# Altium PCB ALCT_MEZ_SPARTAN6T.PcbDoc (part 1 of 12) (continued)
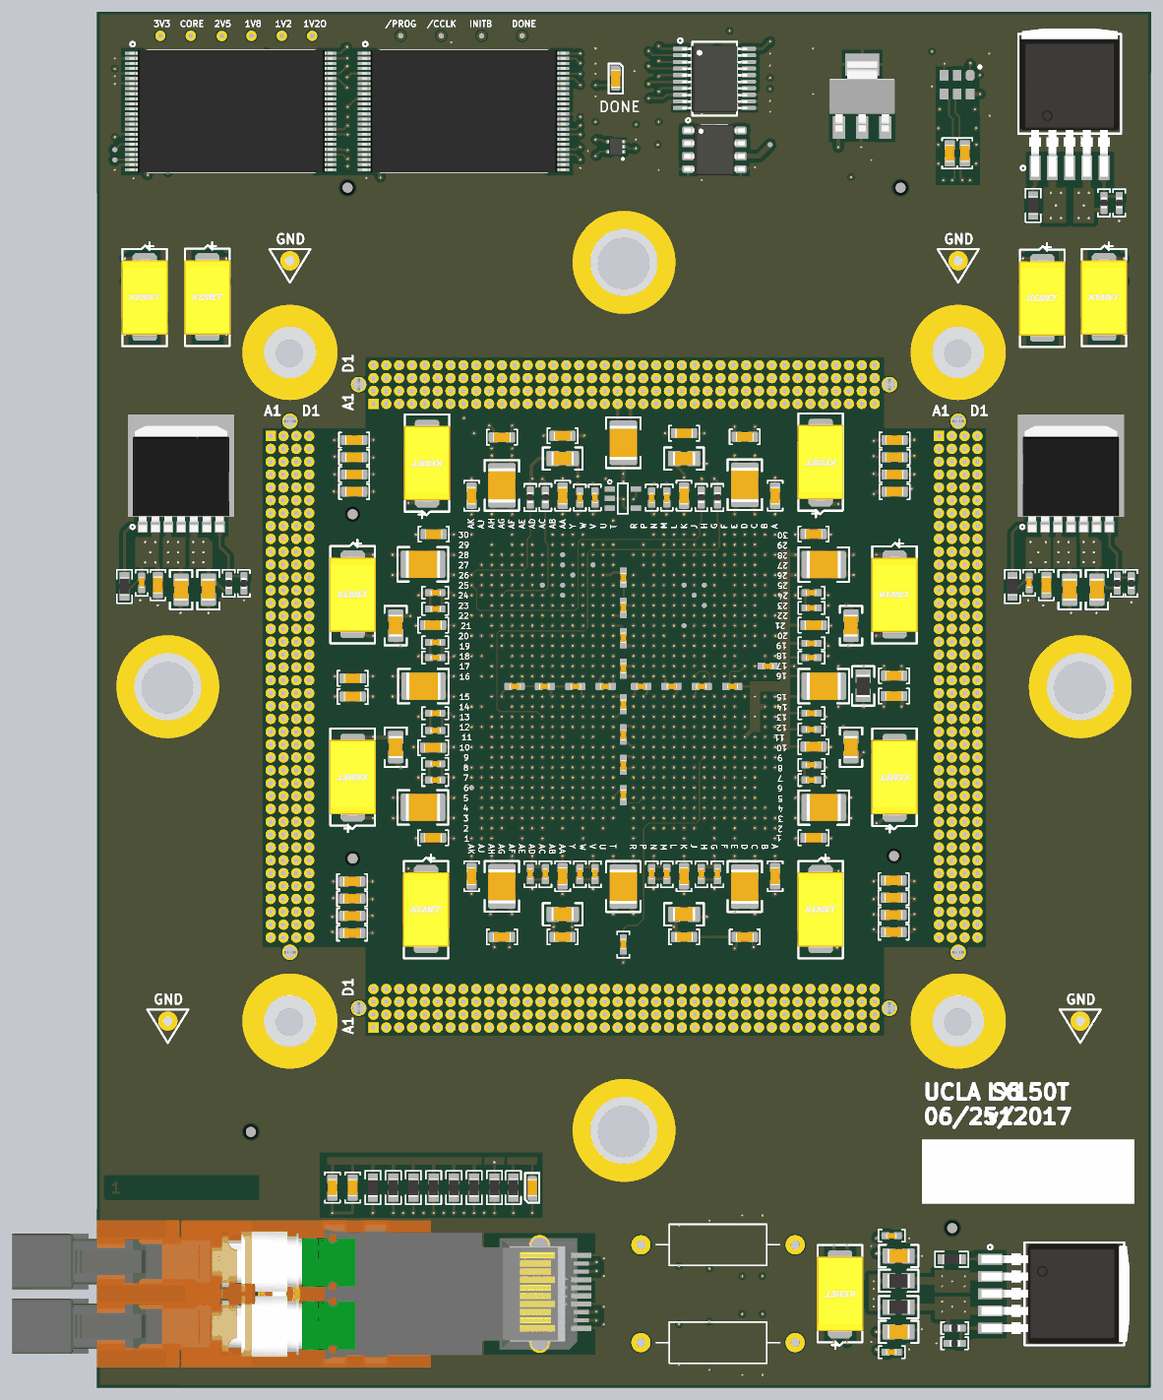
[diagram p23: 3D render of the assembled board from above, using the file's embedded part models]
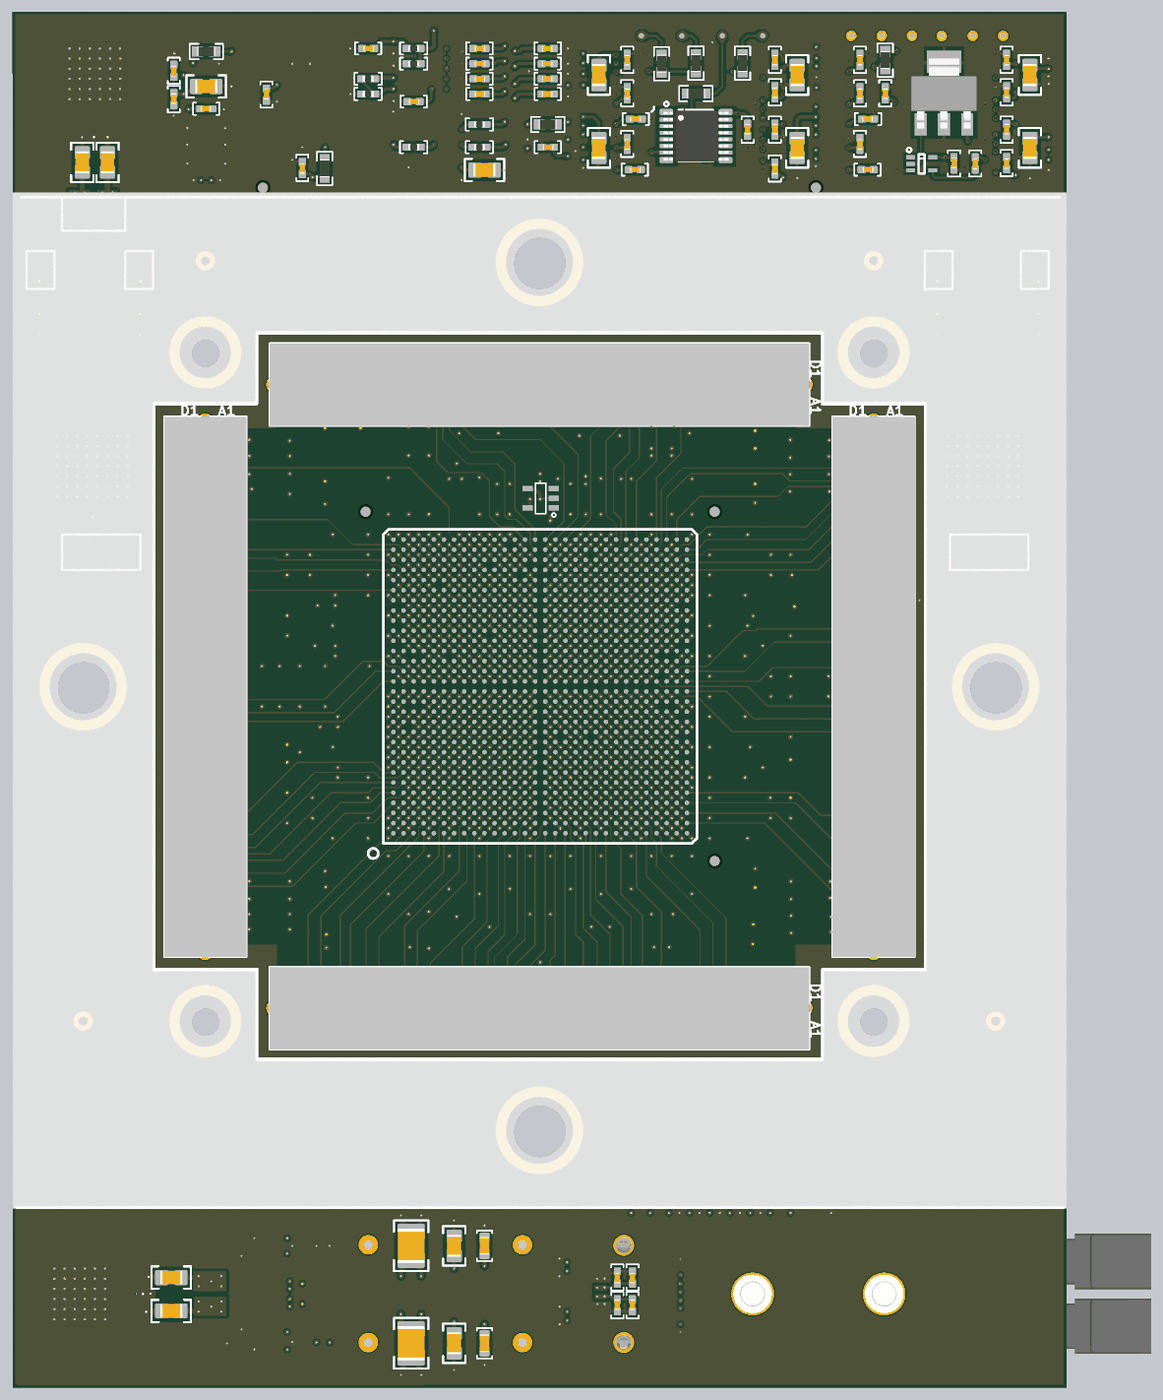
[diagram p24: 3D render of the assembled board from below, using the file's embedded part models]

## Layer stack, top to bottom
Top Solder: solder mask 1.4, Solder Resist, Dk 3.3
Top Layer: signal copper 2
Dielectric 1: prepreg 4.9, FR-4, Dk 4.2
Mid-Layer 1: signal copper 0.6
Dielectric4: core 5, FR-4, Dk 4.2
+3V3: signal copper 1.5
Dielectric 14: prepreg 4.9, Dk 4.2
Mid-Layer 2: signal copper 0.6
Dielectric5: core 5, FR-4, Dk 4.2
+1V2: signal copper 0.6
Dielectric6: prepreg 4.9, FR-4, Dk 4.2
Mid-Layer 4: signal copper 0.6
Dielectric7: core 5, FR-4, Dk 4.2
+1V8: signal copper 0.6
Dielectric12: prepreg 4.9, FR-4, Dk 4.2
Mid-Layer 5: signal copper 0.6
Dielectric8: core 5, FR-4, Dk 4.2
GND1: signal copper 0.6
Dielectric13: prepreg 4.9, FR-4, Dk 4.2
Mid-Layer 7: signal copper 0.6
Dielectric10: core 5, FR-4, Dk 4.2
GND2: signal copper 0.6
Dielectric3: prepreg 4.9, FR-4, Dk 4.2
Bottom Layer: signal copper 1.4
Bottom Solder: solder mask 0.4, Solder Resist, Dk 3.3

## Board outline
0,-1.18 4098.19,-1.19 4100,5350 0,5350

## Design rules (kind name [scope] priority, off if disabled: settings)
Clearance Polygon_Top [OnLayer('Top Layer') vs InPolygon] p1: gap=15 ignorepadtopadclearanceinfootprint=FALSE
Clearance Polygon_Bottom [InPolygon vs OnLayer('Bottom Layer')] p2: gap=10 ignorepadtopadclearanceinfootprint=FALSE
Clearance "Diff Pairs" [InNet('SFP_RX_P') or InNet('SFP_RX_N') or InNet('SFP_TX_N') or InNet('SFP_TX_P') or InNet('MGT_REFCLK_N') or InNet('MGT_REFCLK_P')  or InNet('osc0_n') or InNet('osc0_p')   or InNet('sfp_tx2_n') or InNet('sfp_tx2_p')] p3: gap=5 ignorepadtopadclearanceinfootprint=TRUE
Clearance Polygon [InPolygon] p4: gap=5 ignorepadtopadclearanceinfootprint=FALSE
Clearance "FPGA Fanout" [InNet('XP*')  or InNet('led*')     or InNet('HSWAPEN')   or InNet('M1')  or InNet('M0')      or InNet('CSI_B')       or InNet('RDWR_B')    or InNet('MEZ_CLOCK')] p5: gap=5 ignorepadtopadclearanceinfootprint=TRUE except(6: Arc-THPad Arc-Via Track-THPad Track-Via; 7: Arc-Hole Track-Hole SMDPad-Hole THPad-Hole Via-Hole Fill-Hole Poly-Hole Region-Hole Text-Hole; 8: Arc-Arc Arc-Track Arc-SMDPad Track-Track Track-SMDPad SMDPad-SMDPad)
Clearance "General Clearance TopLy" [OnLayer('Top Layer')] p6: gap=8 ignorepadtopadclearanceinfootprint=TRUE except(7: SMDPad-SMDPad)
Clearance "General Clearance BotLy" [OnLayer('Bottom Layer')] p7: gap=8 ignorepadtopadclearanceinfootprint=TRUE except(6: Arc-SMDPad Track-SMDPad SMDPad-SMDPad)
Clearance "General Clearance" [All] p8: gap=6 ignorepadtopadclearanceinfootprint=TRUE except(7: Arc-Via Track-Via; 14: Arc-Arc Arc-Track Track-Track)
DiffPairsRouting [All] p1: maxlimit=16 minlimit=5 mostfreqgap=14 toplayer_mingap=16 toplayer_prefgap=16 toplayer_minwidth=8 toplayer_maxwidth=16 toplayer_prefwidth=8 midlayer1_minwidth=4 midlayer1_maxwidth=4 midlayer1_prefwidth=4 midlayer2_minwidth=4 midlayer2_maxwidth=4 midlayer2_prefwidth=4 midlayer3_minwidth=4 midlayer3_maxwidth=4 midlayer3_prefwidth=4 midlayer4_minwidth=4 midlayer4_maxwidth=4 midlayer4_prefwidth=4 midlayer5_minwidth=4 midlayer5_maxwidth=4 midlayer5_prefwidth=4 midlayer6_minwidth=4 midlayer6_maxwidth=10 midlayer6_prefwidth=4 midlayer7_minwidth=4 midlayer7_maxwidth=4 midlayer7_prefwidth=4 midlayer8_minwidth=4 midlayer8_maxwidth=10 midlayer8_prefwidth=4 midlayer9_minwidth=4 midlayer9_maxwidth=10 midlayer9_prefwidth=4 midlayer10_minwidth=4 midlayer10_maxwidth=10 midlayer10_prefwidth=4 bottomlayer_mingap=16 bottomlayer_prefgap=16 bottomlayer_minwidth=8 bottomlayer_maxwidth=16 bottomlayer_prefwidth=8 maxuncoupledlength=500
HoleSize [All] p1: absolutevalues=TRUE maxlimit=260 minlimit=8 maxpercent=80.000 minpercent=20.000
MatchedLengths [All] p1: tolerance=3 checknetsindiffpair=TRUE checkdiffpairvsdiffpair=FALSE checkxsignals=FALSE checkothers=FALSE
MinimumAnnularRing [All] p1: minimumring=5
MinimumSolderMaskSliver [All] p1: minsoldermaskwidth=4.7
ParallelSegment Adjacent [All] p1: limit=800 gap=10
ParallelSegment Parallel [All] p2: limit=100 gap=10
PlaneClearance "Differential Pair Plane Keepout" [InNet('SFP_RX_P') or InNet('SFP_RX_N') or InNet('SFP_TX_N') or InNet('SFP_RX_N') or InNet('MGT_REFCLK_N') or InNet('MGT_REFCLK_P')  or InNet('osc0_n') or InNet('osc0_p')] p1: clearance=20
PlaneClearance [All] p2: clearance=6
PlaneConnect PlaneConnectVia [IsVia] p1: planeconnectstyle=Direct reliefexpansion=20 reliefentries=4 reliefconductorwidth=10 reliefairgap=10
PlaneConnect [All] p2: planeconnectstyle=Relief reliefexpansion=7.09 reliefentries=4 reliefconductorwidth=5.12 reliefairgap=10
PolygonConnect via_connect [IsVia] p1: connectstyle=Direct reliefconductorwidth=10 reliefentries=4 polygonreliefangle="90 Angle" airgapwidth=10
PolygonConnect no_relief [InPolygonClass('no_relief')  or InComponent('H*')     or InComponent('TP*')       or InComponent('U13')    or InComponent('U14') or InComponent('U20') or InComponent('U21')] p2: connectstyle=Direct reliefconductorwidth=10 reliefentries=4 polygonreliefangle="90 Angle" airgapwidth=10
PolygonConnect [All] p3: connectstyle=Relief reliefconductorwidth=6 reliefentries=4 polygonreliefangle="90 Angle" airgapwidth=5
RoutingVias [All] p1: holewidth=8 width=18 viastyle="Through Hole" minholewidth=8 minwidth=18 maxholewidth=8 maxwidth=20
SilkToSolderMaskClearance [IsPad] p1: minsilkscreentomaskgap=4.75 clearancetoexposedcopper=TRUE
SolderMaskExpansion [All] p1: expansion=0
ViasUnderSMD VIA_UnderSMD_1 [(Name = 'U12-6') Or (Name = 'U13-6') Or (Name = 'U14-8')] p1: allowed=TRUE
Width Power [InNet('+1.2V') Or InNet('+1.8V') Or InNet('+2.5V') Or InNet('+2.5V/2') Or InNet('+3.3V') Or InNet('+3.3V/2') Or InNet('+VCORE')           or          InNet('+VTBOT') Or InNet('+VTOP')] p1: maxlimit=196.85 minlimit=8 preferedwidth=10
Width [All] p2: maxlimit=197 minlimit=5 preferedwidth=5 toplayer_prefwidth=8 midlayer6_prefwidth=4 midlayer8_prefwidth=4 midlayer9_prefwidth=4 midlayer10_prefwidth=4 bottomlayer_prefwidth=8 minimp=50.000000 maximp=50.000000 favimp=50.000000
24 further rules are at their usual default settings.

## Classes and differential pairs
differential pair osc0: +osc0_p -osc0_n
differential pair MGT_REFCLK: +MGT_REFCLK_P -MGT_REFCLK_N
differential pair SFP_TX: +SFP_TX_P -SFP_TX_N
differential pair sfp_tx2: +sfp_tx2_p -sfp_tx2_n

## Components (designator, comment, footprint, x,y, rotation, side; value= is the part's Value field where it differs from the comment)
1V2_INT "Test Point Via" MC_S6/TH/TPVIA 718.5,5255.91 r0 top locked
1V2_MGT "Test Point Via" MC_S6/TH/TPVIA 836.61,5255.91 r0 top locked
1V8 "Test Point Via" MC_S6/TH/TPVIA 600.39,5255.91 r0 top locked
2V5 "Test Point Via" MC_S6/TH/TPVIA 485,5255 r0 top locked
3V3 "Test Point Via" MC_S6/TH/TPVIA 246.06,5255.91 r0 top locked
AWAKE "Test Point Via" MC_S6/TH/TPVIA 1811.03,3080.7 r0 top locked
BUSY "Test Point Via" MC_S6/TH/TPVIA 1811.03,3120.06 r0 top locked
C01 "4.7UF" MC_S6/SM/C_0603_IPC 2519.68,3696.85 r0 top locked
C1 "10UF" MC_S6/SM/C_0805_IPC 3828.74,4763.78 r90 bottom locked
C02 "4.7UF" MC_S6/SM/C_0603_IPC 1574.8,3694.88 r180 top locked
C2 "0.47uF" MC_S6/SM/C_0603_IPC 994.09,777.56 r90 top locked
C3 "4.7uF" MC_S6/SM/C_0603_IPC 915.35,777.56 r270 top locked
C03 "10uF" MC_S6/SM/C_0805_IPC 3482.28,427.95 r0 bottom locked
C04 "10uF" MC_S6/SM/C_0805_IPC 3482.28,298.03 r0 bottom locked
C05 "10UF" MC_S6/SM/C_0805_IPC 3730.32,4763.78 r90 bottom locked
C11 "4.7UF" MC_S6/SM/C_0603_IPC 2519.68,1751.97 r0 top locked
C12 "4.7UF" MC_S6/SM/C_0603_IPC 1574.8,1751.97 r180 top locked
C13 "10uF" MC_S6/SM/C_0805_IPC 326.77,3102.36 r270 top locked
C14 "1UF" MC_S6/SM/C_0603_IPC 236.22,3120.14 r270 top locked
C15 "0.01UF" MC_S6/SM/C_0402_IPC 173.23,3128.95 r270 top locked
C16 "10UF" MC_S6/SM/C_0805_IPC 433.07,3102.36 r270 top locked
C17 "10uF" MC_S6/SM/C_0805_IPC 3783.46,3102.36 r270 top locked
C18 "1uF" MC_S6/SM/C_0603_IPC 3692.91,3120.14 r270 top locked
C19 "0.01uF" MC_S6/SM/C_0402_IPC 3625.98,3128.95 r270 top locked
C20 "10uF" MC_S6/SM/C_0805_IPC 3889.76,3102.36 r270 top locked
C21 "0.47uF" MC_S6/SM/C_0402_IPC 2283.46,5206.69 r0 bottom
C22 "0.47uF" MC_S6/SM/C_0402_IPC 2017.72,5206.69 r180 bottom
C23 "0.47uF" MC_S6/SM/C_0402_IPC 2283.46,5147.64 r0 bottom
C24 "0.47uF" MC_S6/SM/C_0402_IPC 2017.72,5147.64 r180 bottom
C25 "0.47uF" MC_S6/SM/C_0402_IPC 2283.46,5088.58 r0 bottom
C26 "0.47uF" MC_S6/SM/C_0402_IPC 2017.72,5088.58 r180 bottom
C27 "0.1uF" MC_S6/SM/C_0402_IPC 1937.01,3460.63 r90.5 top locked
C28 "0.1UF" MC_S6/SM/C_0402_IPC 3112.2,5027.56 r270 bottom locked
C29 "0.01uF" MC_S6/SM/C_0402_IPC 2283.46,5029.53 r0 bottom
C30 "0.01uF" MC_S6/SM/C_0402_IPC 2017.72,5029.53 r180 bottom
C32 "0.1UF" MC_S6/SM/C_0402_IPC 2539.37,5000 r0 bottom locked
C33 "0.1UF" MC_S6/SM/C_0402_IPC 2716.54,5206.69 r0 bottom
C34 "10uF" MC_S6/SM/C_0805_IPC 2263.78,4734.25 r180 bottom locked
C41 "0.1UF" MC_S6/SM/C_0402_IPC 232.28,5036.61 r90 bottom locked
C42 "0.1UF" MC_S6/SM/C_0402_IPC 803.15,4835.83 r90 bottom locked
C43 "0.1UF" MC_S6/SM/C_0402_IPC 803.15,5032.68 r90 bottom locked
C44 "0.1UF" MC_S6/SM/C_0402_IPC 803.15,5162.61 r90 bottom locked
C45 "10uF" MC_S6/SM/C_0805_IPC 1818.9,5103.54 r270 bottom locked
C46 "0.1UF" MC_S6/SM/C_0402_IPC 232.28,5162.6 r90 bottom locked
C47 "0.1UF" MC_S6/SM/C_0402_IPC 771.65,4932.28 r180 bottom locked
C48 "0.1UF" MC_S6/SM/C_0402_IPC 232.28,4890.94 r270 bottom locked
C49 "10uF" MC_S6/SM/C_0805_IPC 1047.24,5103.54 r270 bottom locked
C50 "0.1UF" MC_S6/SM/C_0402_IPC 232.28,4761.02 r90 bottom locked
C51 "10uF" MC_S6/SM/C_0805_IPC 1818.9,4820.08 r270 bottom locked
C61 "0.1UF" MC_S6/SM/C_0402_IPC 1133.86,5036.61 r90 bottom locked
C62 "0.1UF" MC_S6/SM/C_0402_IPC 1708.66,4835.83 r90 bottom locked
C63 "0.1UF" MC_S6/SM/C_0402_IPC 1708.66,5032.68 r90 bottom locked
C64 "0.1UF" MC_S6/SM/C_0402_IPC 1708.66,5162.61 r90 bottom locked
C65 "10uF" MC_S6/SM/C_0805_IPC 141.73,4820.08 r270 bottom locked
C66 "0.1UF" MC_S6/SM/C_0402_IPC 1133.86,5162.6 r90 bottom locked
C67 "0.1UF" MC_S6/SM/C_0402_IPC 1675.2,4932.28 r180 bottom locked
C68 "0.1UF" MC_S6/SM/C_0402_IPC 1133.86,4890.94 r270 bottom locked
C69 "10uF" MC_S6/SM/C_0805_IPC 141.73,5103.54 r270 bottom locked
C70 "0.1UF" MC_S6/SM/C_0402_IPC 1133.86,4740.16 r90 bottom locked
C71 "10uF" MC_S6/SM/C_0805_IPC 1047.24,4820.08 r270 bottom locked
C80 "0.1UF" MC_S6/SM/C_0402_IPC 1240.16,4890.94 r270 bottom locked
C81 "0.1UF" MC_S6/SM/C_0402_IPC 704.72,5032.68 r90 bottom locked
C82 "0.1UF" MC_S6/SM/C_0402_IPC 437.01,4759.84 r270 bottom locked
C83 "0.1UF" MC_S6/SM/C_0402_IPC 2972.44,4742.13 r90 bottom locked
C84 "0.1UF" MC_S6/SM/C_0402_IPC 2017.72,4822.83 r0 bottom locked
C90 "10uF" MC_S6/SM/C_0805_IPC 3346.46,5059.06 r180 bottom locked
C91 "0.47uF" MC_S6/SM/C_0402_IPC 3346.46,4972.44 r180 bottom locked
C92 "0.01uF" MC_S6/SM/C_0402_IPC 3472.44,5120.08 r90 bottom locked
C93 "0.01uF" MC_S6/SM/C_0402_IPC 3472.44,5009.84 r270 bottom locked
C94 "0.01uF" MC_S6/SM/C_0603_IPC 3375.98,4799.21 r270 top locked
C95 "0.01uF" MC_S6/SM/C_0603_IPC 3316.93,4799.21 r270 top locked
C100 "10uF" MC_S6/SM/C_0805_IPC 3118.11,511.81 r0 top locked
C101 "0.47uF" MC_S6/SM/C_0402_IPC 3091.52,590.55 r0 top locked
C102 "100uF" MC_S6/SM/C_1210_IPC 2549.21,551.18 r90 bottom locked
C103 "10uF" MC_S6/SM/C_0805_IPC 2381.89,551.18 r90 bottom locked
C104 "0.47uF" MC_S6/SM/C_0603_IPC 2263.78,551.18 r90 bottom locked
C105 "0.1uF" MC_S6/SM/C_0402_IPC 1747.05,428.15 r90 bottom locked
C106 "0.01uF" MC_S6/SM/C_0402_IPC 1687.99,428.15 r90 bottom locked
C110 "10uF" MC_S6/SM/C_0805_IPC 3118.11,216.54 r0 top locked
C111 "0.47uF" MC_S6/SM/C_0402_IPC 3091.52,137.8 r0 top locked
C112 "100uF" MC_S6/SM/C_1210_IPC 2549.21,172.24 r270 bottom locked
C113 "10uF" MC_S6/SM/C_0805_IPC 2381.89,172.24 r270 bottom locked
C114 "0.47uF" MC_S6/SM/C_0603_IPC 2263.78,172.24 r270 bottom locked
C115 "0.1uF" MC_S6/SM/C_0402_IPC 1747.05,319.88 r270 bottom locked
C116 "0.01uF" MC_S6/SM/C_0402_IPC 1687.99,319.88 r270 bottom locked
C120 "4.7uF" MC_S6/SM/C_0603_IPC 1000,3550.39 r0 top locked
C121 "4.7uF" MC_S6/SM/C_0603_IPC 994.09,2687.01 r0 top locked
C122 "4.7uF" MC_S6/SM/C_0603_IPC 992.13,1967.72 r0 top locked
C123 "4.7uF" MC_S6/SM/C_0603_IPC 1000,3483.46 r0 top locked
C124 "4.7uF" MC_S6/SM/C_0603_IPC 994.09,2757.87 r0 top locked
C125 "4.7uF" MC_S6/SM/C_0603_IPC 992.13,1900.79 r0 top locked
C126 "4.7uF" MC_S6/SM/C_0603_IPC 992.13,1766.93 r180 top locked
C127 "4.7uF" MC_S6/SM/C_0603_IPC 1811.02,1751.97 r180 top locked
C128 "4.7uF" MC_S6/SM/C_0603_IPC 3098.43,1770.87 r0 top locked
C129 "4.7uF" MC_S6/SM/C_0603_IPC 992.13,1833.86 r180 top locked
C130 "4.7uF" MC_S6/SM/C_0603_IPC 2283.46,1751.97 r180 top locked
C131 "4.7uF" MC_S6/SM/C_0603_IPC 3098.43,1837.8 r180 top locked
C132 "4.7uF" MC_S6/SM/C_0603_IPC 3102.36,3550.39 r180 top locked
C134 "4.7uF" MC_S6/SM/C_0603_IPC 3100.39,2767.72 r180 top locked
C135 "4.7uF" MC_S6/SM/C_0603_IPC 3098.43,1971.65 r180 top locked
C136 "4.7uF" MC_S6/SM/C_0603_IPC 3102.36,3483.46 r180 top locked
C137 "4.7uF" MC_S6/SM/C_0603_IPC 3100.39,2688.98 r180 top locked
C138 "4.7uF" MC_S6/SM/C_0603_IPC 3098.43,1904.72 r180 top locked
C139 "4.7uF" MC_S6/SM/C_0603_IPC 1000,3617.32 r0 top locked
C140 "4.7uF" MC_S6/SM/C_0603_IPC 2283.46,3710.63 r180 top locked
C141 "4.7uF" MC_S6/SM/C_0603_IPC 3102.36,3617.32 r180 top locked
C142 "4.7uF" MC_S6/SM/C_0603_IPC 1000,3684.25 r0 top locked
C143 "4.7uF" MC_S6/SM/C_0603_IPC 1811.02,3700.79 r180 top locked
C144 "4.7uF" MC_S6/SM/C_0603_IPC 3102.36,3684.25 r180 top locked
C201 "0.47UF" MC_S6/SM/C_0402_IPC 1314.96,2622.05 r180 top locked
C202 "0.47UF" MC_S6/SM/C_0402_IPC_NOSILK 1624.02,2726.38 r180 top locked
C203 "0.47UF" MC_S6/SM/C_0402_IPC 2157.48,1996.06 r270 top locked
C204 "0.47uF" MC_S6/SM/C_0402_IPC 2216.54,1996.06 r270 top locked
C211 "0.47UF" MC_S6/SM/C_0402_IPC_NOSILK 2047.24,3149.61 r90 top locked
C212 "0.47UF" MC_S6/SM/C_0402_IPC_NOSILK 2234.25,2726.38 r180 top locked
C213 "0.47UF" MC_S6/SM/C_0402_IPC 1314.96,3090.55 r180 top locked
C214 "0.47uF" MC_S6/SM/C_0402_IPC 2779.53,3090.55 r0 top locked
C221 "0.47UF" MC_S6/SM/C_0402_IPC_NOSILK 1742.13,2726.38 r0 top locked
C222 "0.47UF" MC_S6/SM/C_0402_IPC_NOSILK 2047.24,3031.5 r270 top locked
C223 "0.47UF" MC_S6/SM/C_0402_IPC_NOSILK 2047.24,2421.26 r90 top locked
C224 "0.47uF" MC_S6/SM/C_0402_IPC 1877.95,1996.06 r270 top locked
C231 "0.47UF" MC_S6/SM/C_0402_IPC 1937.01,1996.06 r270 top locked
C232 "0.47UF" MC_S6/SM/C_0402_IPC_NOSILK 2352.36,2726.38 r0 top locked
C233 "0.47UF" MC_S6/SM/C_0402_IPC 1685.04,1996.06 r270 top locked
C234 "0.47uF" MC_S6/SM/C_0402_IPC 1314.96,2425.2 r180 top locked
C241 "0.47UF" MC_S6/SM/C_0402_IPC 2413.39,1996.06 r270 top locked
C242 "0.47UF" MC_S6/SM/C_0402_IPC_NOSILK 2047.24,2303.15 r270 top locked
C243 "0.47uF" MC_S6/SM/C_0402_IPC 1314.96,3027.56 r180 top locked
C244 "0.47uF" MC_S6/SM/C_0402_IPC 2779.53,3031.5 r0 top locked
C251 "0.47UF" MC_S6/SM/C_0402_IPC 2157.48,3460.63 r90 top locked
C252 "0.47UF" MC_S6/SM/C_0402_IPC_NOSILK 1860.24,2726.38 r180 top locked
C253 "0.47uF" MC_S6/SM/C_0402_IPC 2779.53,2421.26 r0 top locked
C254 "0.47uF" MC_S6/SM/C_0402_IPC 2350.39,1996.06 r270 top locked
C261 "0.47uF" MC_S6/SM/C_0402_IPC 2216.54,3460.63 r90 top locked
C262 "0.47uF" MC_S6/SM/C_0402_IPC 2779.53,2362.2 r0 top locked
C263 "0.47UF" MC_S6/SM/C_0402_IPC_NOSILK 2047.24,2913.39 r270 top locked
C264 "0.47UF" MC_S6/SM/C_0402_IPC_NOSILK 2047.24,2539.37 r90 top locked
C265 "0.47uF" MC_S6/SM/C_0402_IPC 1877.95,3460.63 r90 top locked
C266 "0.47uF" MC_S6/SM/C_0402_IPC 1314.96,2362.2 r180 top locked
C267 "0.47uF" MC_S6/SM/C_0402_IPC 1314.96,2555.12 r180 top locked
C268 "0.47uF" MC_S6/SM/C_0402_IPC 1744.09,1996.06 r270 top locked
C271 "0.47UF" MC_S6/SM/C_0402_IPC_NOSILK 2047.24,2795.28 r270 top locked
C272 "0.47UF" MC_S6/SM/C_0402_IPC_NOSILK 1978.35,2726.38 r0 top locked
C273 "0.47UF" MC_S6/SM/C_0402_IPC_NOSILK 2047.24,2657.48 r90 top locked
C274 "0.47UF" MC_S6/SM/C_0402_IPC_NOSILK 2116.14,2726.38 r180 top locked
C275 "0.47uF" MC_S6/SM/C_0402_IPC 1314.96,2838.58 r180 top locked
C276 "0.47uF" MC_S6/SM/C_0402_IPC 1314.96,2897.64 r180 top locked
C281 "0.22uF" MC_S6/SM/C_0402_IPC 2779.53,2622.05 r0 top locked
C282 "0.22uF" MC_S6/SM/C_0402_IPC 2779.53,2838.58 r0 top locked
C283 "0.22uF" MC_S6/SM/C_0402_IPC 2779.53,2893.7 r0 top locked
C284 "0.22uF" MC_S6/SM/C_0402_IPC_NOSILK 2470.47,2726.38 r180 top locked
C285 "0.22uF" MC_S6/SM/C_0402_IPC 2779.53,2559.06 r0 top locked
C286 "0.22uF" MC_S6/SM/C_0402_IPC_NOSILK 2608.27,2805.12 r180 top locked
C301 "4.7UF" MC_S6/SM/C_0603_IPC 2787.4,2137.8 r0 top locked
C302 "10uF" MC_S6/SM/C_0805_IPC 1161.42,2962.6 r90 top locked
C311 "4.7UF" MC_S6/SM/C_0603_IPC 1456.69,3467.72 r90 top locked
C312 "10uF" MC_S6/SM/C_0805_IPC 1161.42,2490.16 r90 top locked
C321 "4.7UF" MC_S6/SM/C_0603_IPC 1811.02,3467.72 r90 top locked
C322 "10uF" MC_S6/SM/C_0805_IPC 1811.02,1840.55 r180 top locked
C331 "4.7UF" MC_S6/SM/C_0603_IPC 1456.69,1988.19 r270 top locked
C332 "10uF" MC_S6/SM/C_0805_IPC 2283.46,1840.55 r180 top locked
C341 "4.7UF" MC_S6/SM/C_0603_IPC 2637.8,1988.19 r270 top locked
C342 "10uF" MC_S6/SM/C_0805_IPC 2933.07,2490.16 r90 top locked
C351 "4.7UF" MC_S6/SM/C_0603_IPC 2637.8,3467.72 r90 top locked
C361 "4.7UF" MC_S6/SM/C_0603_IPC 1811.02,1988.19 r270 top locked
C362 "4.7UF" MC_S6/SM/C_0603_IPC 1307.09,2488.19 r180 top locked
C363 "4.7UF" MC_S6/SM/C_0603_IPC 1307.09,2137.8 r180 top locked
C364 "4.7UF" MC_S6/SM/C_0603_IPC 2787.4,3318.9 r0 top locked
C365 "10uF" MC_S6/SM/C_0805_IPC 1811.02,3612.2 r180 top locked
C371 "4.7UF" MC_S6/SM/C_0603_IPC 2283.46,3467.72 r90 top locked
C372 "4.7UF" MC_S6/SM/C_0603_IPC 2283.46,1988.19 r270 top locked
C373 "4.7UF" MC_S6/SM/C_0603_IPC 1309.06,3318.11 r180 top locked
C374 "4.7uF" MC_S6/SM/C_0603_IPC 1307.09,2964.57 r180 top locked
C375 "10uF" MC_S6/SM/C_0805_IPC 2283.46,3612.2 r180 top locked
C381 "4.7uF" MC_S6/SM/C_0603_IPC 2787.4,2492.13 r0 top locked
C382 "4.7uF" MC_S6/SM/C_0603_IPC 2787.4,2964.57 r0 top locked
C383 "10uF" MC_S6/SM/C_0805_IPC 2933.07,2962.6 r90 top locked
C401 "100UF" MC_S6/SM/C_1210_IPC 2826.77,2255.12 r0 top locked
C411 "100UF" MC_S6/SM/C_1210_IPC 1574.8,3507.87 r90 top locked
C421 "100UF" MC_S6/SM/C_1210_IPC 1269.68,2727.56 r180 top locked
C431 "100UF" MC_S6/SM/C_1210_IPC 1574.8,1948.82 r270 top locked
C441 "100UF" MC_S6/SM/C_1210_IPC 2519.69,1948.03 r270 top locked
C451 "100UF" MC_S6/SM/C_1210_IPC 2519.69,3510.06 r90 top locked
C461 "100UF" MC_S6/SM/C_1210_IPC 1267.72,2255.91 r180 top locked
C462 "100UF" MC_S6/SM/C_1210_IPC 2047.24,3673.23 r90 top locked
C471 "100UF" MC_S6/SM/C_1210_IPC 1267.72,3200.79 r180 top locked
C472 "100UF" MC_S6/SM/C_1210_IPC 2047.24,1948.03 r270 top locked
C481 "100uF" MC_S6/SM/C_1210_IPC 2826.77,3200 r0 top locked
C482 "100uF" MC_S6/SM/C_1210_IPC 2826.77,2727.56 r0 top locked
CCLK "Test Point Via" MC_S6/TH/TPVIA 1338.58,5255.91 r0 top locked
CMPCSB "Test Point Via" MC_S6/TH/TPVIA 1732.29,3120.06 r270 top locked
CSB "Test Point Via" MC_S6/TH/TPVIA 1811.03,3198.81 r0 top locked
CSOB "Test Point Via" MC_S6/TH/TPVIA 1456.69,2332.68 r0 top locked
CT01 "220uF" MC_S6/SM/CT_2917_D 3677.17,4235.04 r270 top locked
CT02 "220uF" MC_S6/SM/CT_2917_D 3917.32,4238.19 r270 top locked
CT03 "220uF" MC_S6/SM/CT_2917_D 994.09,2374.02 r90 top locked
CT04 "220uF" MC_S6/SM/CT_2917_D 2814.96,3598.43 r90 top locked
CT05 "220uF" MC_S6/SM/CT_2917_D 994.09,3082.68 r270 top locked
CT06 "220uF" MC_S6/SM/CT_2917_D 3102.36,2373.23 r90 top locked
CT07 "220uF" MC_S6/SM/CT_2917_D 2890.47,365 r90 top locked
CT11 "220uF" MC_S6/SM/CT_2917_D 185.04,4238.19 r270 top locked
CT12 "220uF" MC_S6/SM/CT_2917_D 429.13,4238.98 r270 top locked
CT13 "220uF" MC_S6/SM/CT_2917_D 2814.96,1858.27 r270 top locked
CT14 "220uF" MC_S6/SM/CT_2917_D 1283.46,3594.49 r90 top locked
CT15 "220uF" MC_S6/SM/CT_2917_D 1279.53,1858.27 r270 top locked
CT16 "220uF" MC_S6/SM/CT_2917_D 3102.36,3081.89 r270 top locked
D1 "LTST-C193TBKT-5A" MC_S6/SM/LED_0603 2017.72,5088.58 r270 top locked
D2 "LTST-C193TBKT-5A" MC_S6/SM/LED_0603 1692.91,777.56 r90 top locked
DONE "Test Point Via" MC_S6/TH/TPVIA 1653.54,5255.91 r0 top locked
DSN "Test Point Via" MC_S6/TH/TPVIA 2283.48,2962.6 r0 top locked
H1 "MEZSCREW" MC_S6/TH/SCREW_BASE 275,2725 r0 top locked
H2 "MEZSCREW" MC_S6/TH/SCREW_BASE 2050,4375 r0 top locked
H3 "MEZSCREW" MC_S6/TH/SCREW_BASE 2050,1000 r0 top locked
H4 "MEZSCREW" MC_S6/TH/SCREW_BASE 3825,2725 r0 top locked
H12 "MezScrewHS" MC_S6/TH/SCREW_PLATE 750,4025 r0 top locked
H31 "MezScrewHS" MC_S6/TH/SCREW_PLATE 750,1425 r0 top locked
H34 "MezScrewHS" MC_S6/TH/SCREW_PLATE 3350,1425 r0 top locked
H42 "MezScrewHS" MC_S6/TH/SCREW_PLATE 3350,4025 r0 top locked
INIT "Test Point Via" MC_S6/TH/TPVIA 1496.06,5255.91 r0 top locked
INITB "Test Point Via" MC_S6/TH/TPVIA 1811.03,3238.19 r0 top locked
J1 "VTTX" MC_S6/SM/TE-1888247-1 1722.05,364.17 r0 top locked
L3 "1uH" MC_S6/TH/DELEVAN1537 2415.79,555 r0 top locked
L4 "1uH" MC_S6/TH/DELEVAN1537 2415.79,175 r0 top locked
PCBM1 "VTTX-V2.1" "PCBM_CERN_VTTX V2.1" 1722.05,364.17 r0 top locked